# Altium PCB Isengard.PcbDoc
Units mm, origin at the board's own origin, x right, y up, seen from the top; angles counter-clockwise.
Board outline 125 x 60 mm, 2 copper layers (Top Layer, Bottom Layer), stack 1.571 mm thick; 80 components, 54 nets, 282 pads, 94 vias.
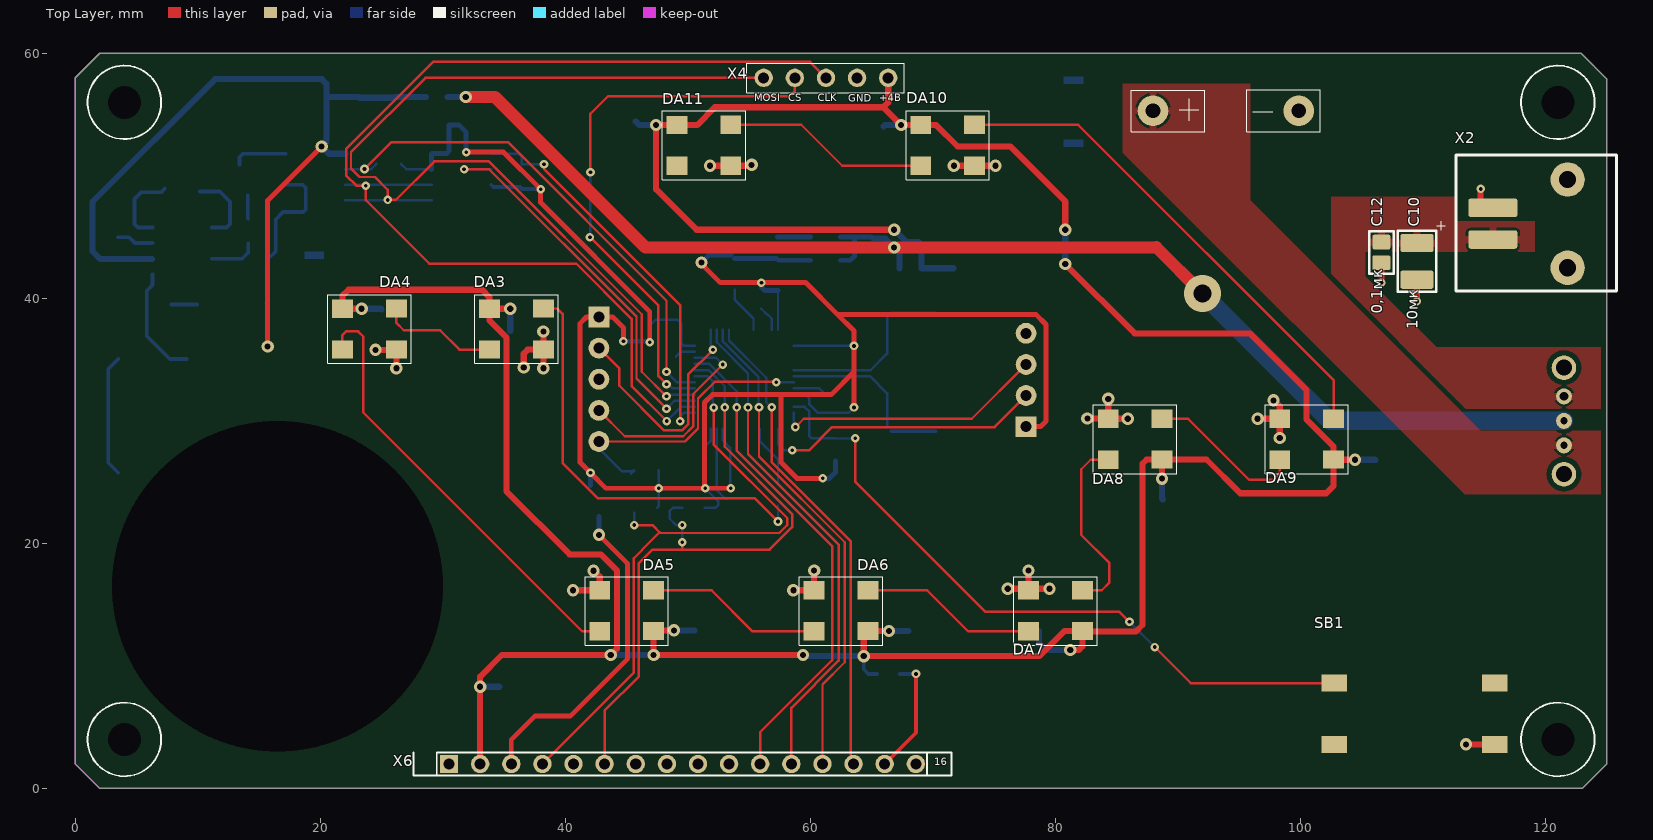
[diagram p0: Top Layer view]
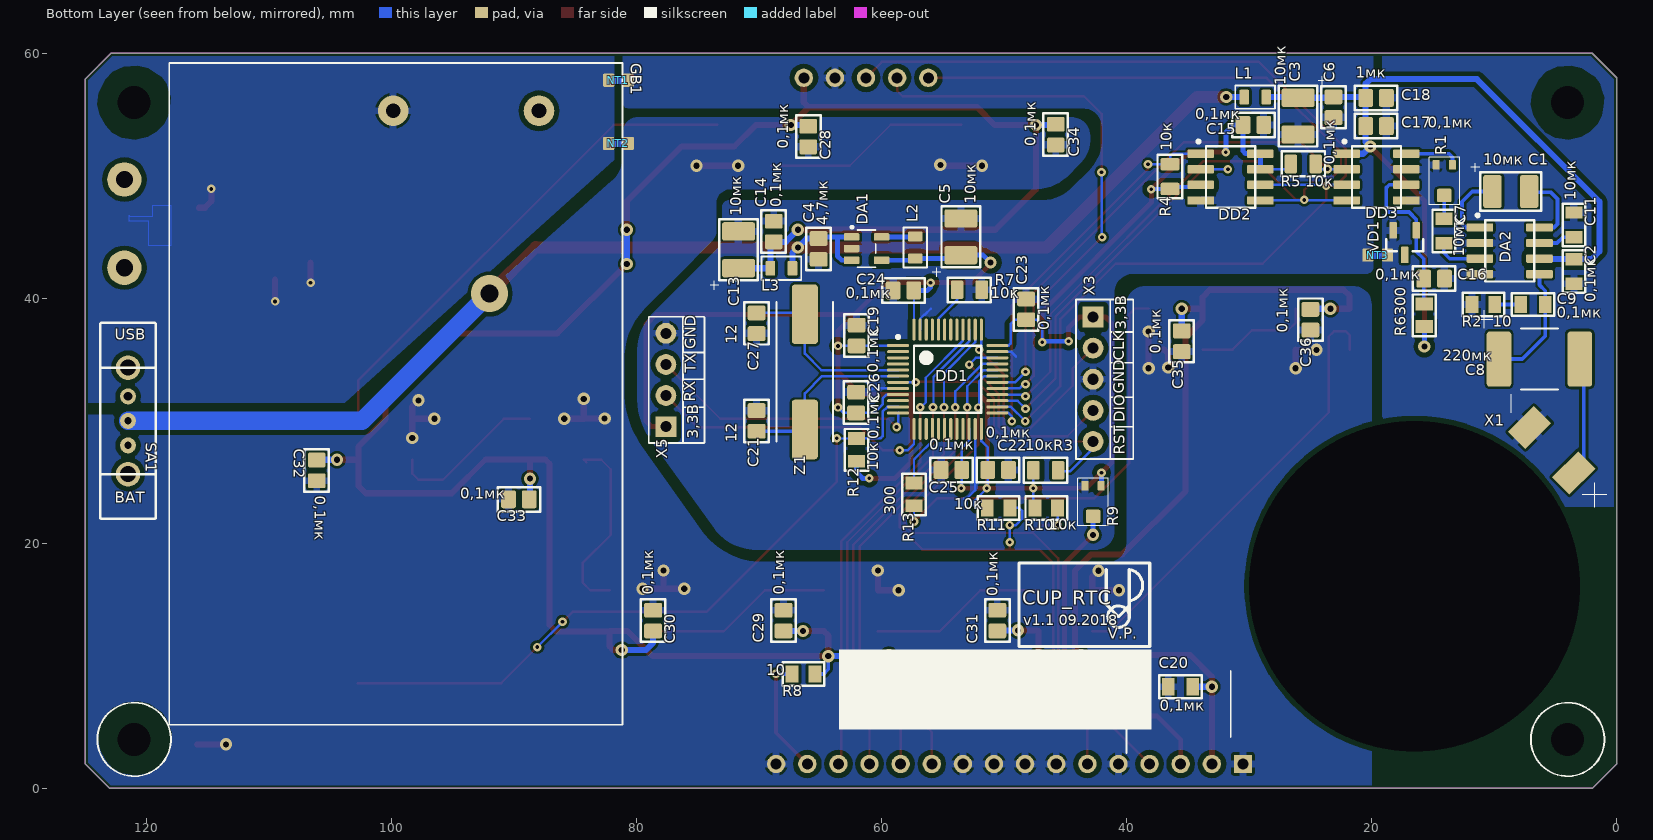
[diagram p1: Bottom Layer view, seen from below]
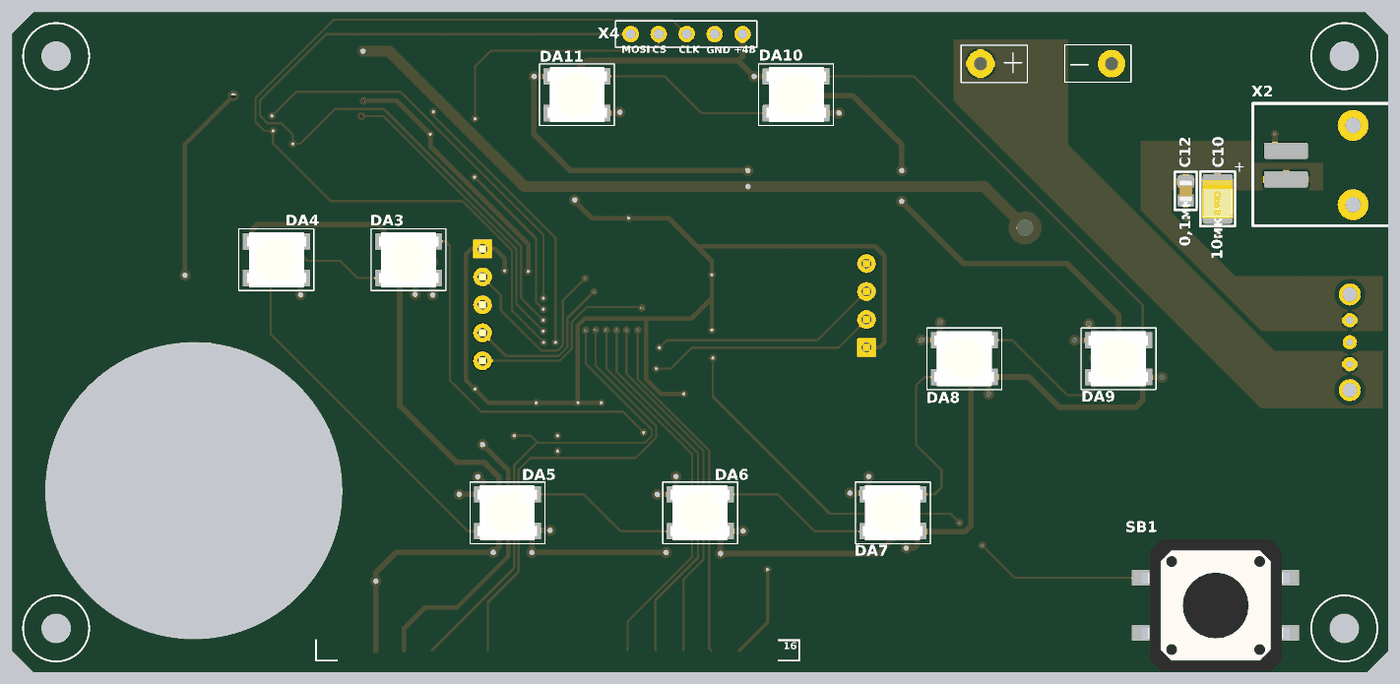
[diagram p2: 3D render of the assembled board from above, using the file's embedded part models]
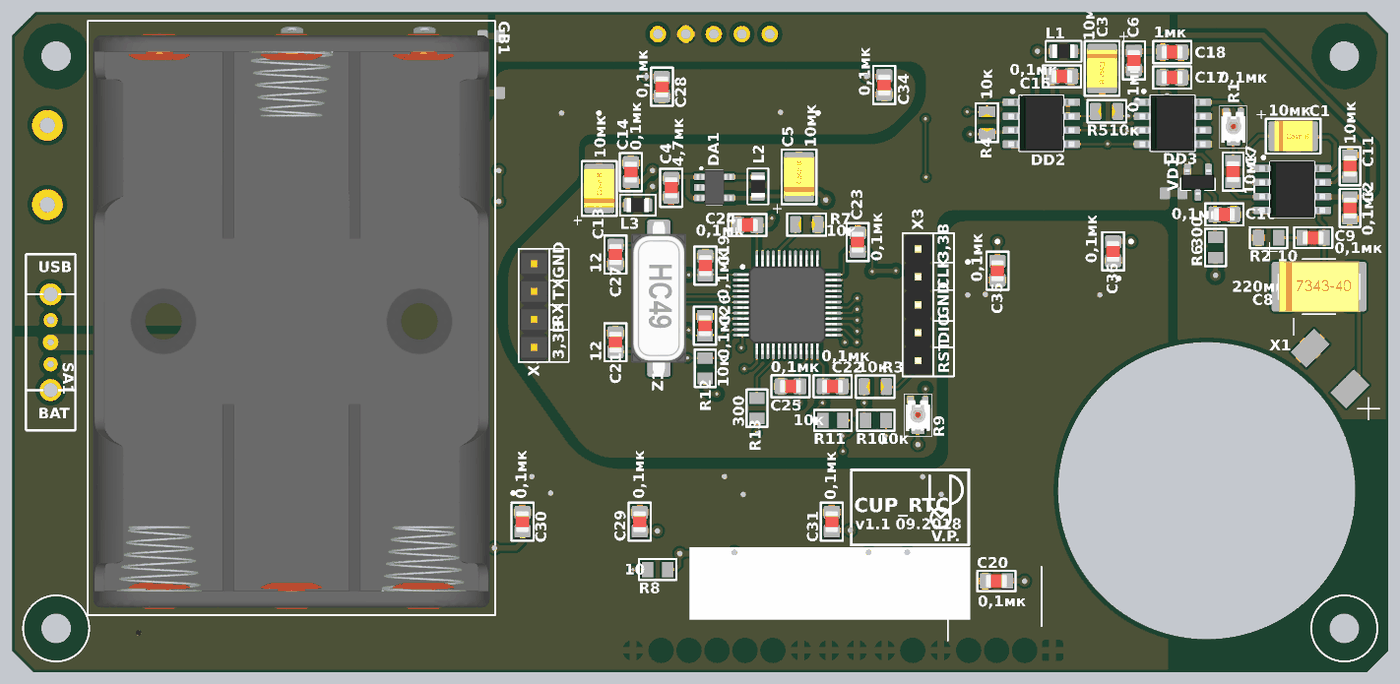
[diagram p3: 3D render of the assembled board from below, using the file's embedded part models]

## Layer stack, top to bottom
Top Solder: solder mask 0.0102, Solder Resist, Dk 3.5
Top Layer: signal copper 0.0356
Dielectric 1: dielectric 1.5, FR-4, Dk 4.8
Bottom Layer: signal copper 0.0356
Bottom Solder: solder mask 0.0102, Solder Resist, Dk 3.5

## Board outline
0,2 0,58 2,60 122.9,60 125,57.9 125,2 123,0 2,0

## Design rules (kind name [scope] priority, off if disabled: settings)
Clearance Clearance_5VA [InNet('+5VA') vs InNet('AGND')] p1: gap=0.4 ignorepadtopadclearanceinfootprint=FALSE except(0: Arc-Hole Track-Hole SMDPad-Hole THPad-Hole Via-Hole Fill-Hole Poly-Hole Region-Hole Text-Hole)
Clearance Clearance_5VВD [InNet('+5V') vs InNet('GND')] p2: gap=0.3 ignorepadtopadclearanceinfootprint=FALSE except(0: Arc-Hole Track-Hole SMDPad-Hole THPad-Hole Via-Hole Fill-Hole Poly-Hole Region-Hole Text-Hole)
Clearance Clearance_5VS [InNet('+5V') vs InNet('SGND')] p3: gap=0.4 ignorepadtopadclearanceinfootprint=FALSE except(0: Arc-Hole Track-Hole SMDPad-Hole THPad-Hole Via-Hole Fill-Hole Poly-Hole Region-Hole Text-Hole)
Clearance Clearance_3.3V [InNet('+3,3В') vs InNet('DGND')] p4: gap=0.4 ignorepadtopadclearanceinfootprint=FALSE except(0: Arc-Hole Track-Hole SMDPad-Hole THPad-Hole Via-Hole Fill-Hole Poly-Hole Region-Hole Text-Hole; 0.2: Track-Track Track-SMDPad SMDPad-SMDPad)
Clearance [All] p5: gap=0.2 ignorepadtopadclearanceinfootprint=FALSE except(0: Arc-Hole Track-Hole SMDPad-Hole THPad-Hole Via-Hole Fill-Hole Poly-Hole Region-Hole Text-Hole; 0.4: Track-THPad THPad-Poly)
ComponentClearance [All] p1: gap=0.01 collisioncheckmode=3 verticalgap=0 showdistances=FALSE
HoleSize [All] p1: absolutevalues=TRUE maxlimit=30 minlimit=0.025 maxpercent=80.000 minpercent=20.000
HoleToHoleClearance [All] p1: gap=0.254 allowstackedmicrovias=FALSE
LayerPairs [All] p1: enforce=FALSE
MinimumSolderMaskSliver [All] p1: minsoldermaskwidth=0.15
PolygonConnect PolygonConnect_via [IsVia] p1: connectstyle=Direct reliefconductorwidth=0.254 reliefentries=4 polygonreliefangle="90 Angle" airgapwidth=0.254
PolygonConnect PolygonConnect_nettie [HasFootprint('POFIGISTOR0603')] p2: connectstyle=Direct reliefconductorwidth=0.254 reliefentries=4 polygonreliefangle="90 Angle" airgapwidth=0.254
PolygonConnect [All] p3: connectstyle=Relief reliefconductorwidth=0.6 reliefentries=4 polygonreliefangle="90 Angle" airgapwidth=0.2
RoutingVias [All] p1: holewidth=0.711 width=1.27 viastyle="Through Hole" minholewidth=0.711 minwidth=1.27 maxholewidth=0.711 maxwidth=1.27
ShortCircuit ShortCircuit_AGND [InNet('DGND') vs InNet('AGND')] p1: allowed=TRUE
ShortCircuit ShortCircuit_DGND [InNet('GND') vs InNet('DGND')] p2: allowed=TRUE
ShortCircuit ShortCircuit_SGND [InNet('GND') vs InNet('SGND')] p3: allowed=TRUE
ShortCircuit [All] p4: allowed=FALSE
SilkToSilkClearance [All] p1: silktosilkclearance=0
SilkToSolderMaskClearance [IsPad] p1: minsilkscreentomaskgap=0 clearancetoexposedcopper=TRUE
SolderMaskExpansion [All] p1: expansion=0.05
Width 4VA [InNet('+4VA')] p1: maxlimit=4 minlimit=0.2 preferedwidth=1
Width 4B [InNet('+4V')] p2: maxlimit=4 minlimit=0.2 preferedwidth=1
Width 3,3B [InNet('+3,3В')] p3: maxlimit=4 minlimit=0.2 preferedwidth=1
Width [All] p4: maxlimit=4 minlimit=0.2 preferedwidth=0.2
22 further rules are at their usual default settings.

## Components (designator, comment, footprint, x,y, rotation, side; value= is the part's Value field where it differs from the comment)
C1 "10мк" "TANTAL CASE B" 8.666,48.92 r180 bottom
C2 "0,1мк" C0805#1 3.48,42.2 r90 bottom
C3 "10мк" "TANTAL CASE B" 25.8,54.9 r270 bottom
C4 "4,7мк" C0805#2 65.134,44.036 r90 bottom
C5 "10мк" "TANTAL CASE B" 53.727,45 r90 bottom
C6 "0,1мк" C0805#2 23.115,55.6 r90 bottom
C7 "10мк" C0805#1 14.1,45.5 r90 bottom
C8 "220мк" "TANTAL CASE D" 6.3,35.05 r180 bottom
C9 "0,1мк" C0805#1 6.83,39.5 r180 bottom
C10 "10мк" "TANTAL CASE B" 109.7,43.05 r270 top
C11 "10мк" C0805#1 3.48,46 r270 bottom
C12 "0,1мк" C0805#2 106.6,43.754 r90 top
C13 "10мк" "TANTAL CASE B" 71.865,43.941 r90 bottom
C14 "0,1мк" C0805#2 68.8,45.457 r270 bottom
C15 "0,1мк" C0805#2 29.646,54.16 r0 bottom
C16 "0,1мк" C0805#2 14.9,41.61 r0 bottom
C17 "0,1мк" C0805#2 19.64,54.06 r0 bottom
C18 "1мк" C0805#2 19.64,56.36 r0 bottom
C19 "0,1мк" C0805#2 62.03,36.967 r270 bottom
C20 "0,1мк" C0805#1 35.6,8.3 r180 bottom
C21 "12" C0805#2 70.2,30 r270 bottom
C22 "0,1мк" C0805#2 50.48,26 r0 bottom
C23 "0,1мк" C0805#2 48.2,39.1 r270 bottom
C24 "0,1мк" C0805#2 58.214,40.65 r180 bottom
C25 "2,2мк" C0805#2 54.3,26 r180 bottom
C26 "0,1мк" C0805#2 62.071,31.5 r270 bottom
C27 "12" C0805#2 70.2,37.967 r90 bottom
C28 "0,1мк" C0805#2 65.979,53.209 r90 bottom
C29 "0,1мк" C0805#2 68,13.7 r270 bottom
C30 "0,1мк" C0805#2 78.644,13.7 r270 bottom
C31 "0,1мк" C0805#2 50.55,13.7 r270 bottom
C32 "0,1мк" C0805#2 106.1,25.963 r90 bottom
C33 "0,1мк" C0805#2 89.6,23.6 r180 bottom
C34 "0,1мк" C0805#2 45.784,53.366 r90 bottom
C35 "0,1мк" C0805#2 35.5,36.5 r90 bottom
C36 "0,1мк" C0805#2 25,38.26 r90 bottom
DA1 "LM3671" SOT23-5 61.22,44.066 r180 bottom
DA2 "LM386M-1" SO8 8.73,43.88 r180 bottom
DA3 "WS2812B" WS2812B 36,37.5 r0 top locked
DA4 "WS2812B" WS2812B 24,37.5 r0 top locked
DA5 "WS2812B" WS2812B 45,14.5 r180 top locked
DA6 "WS2812B" WS2812B 62.5,14.5 r180 top locked
DA7 "WS2812B" WS2812B 80,14.5 r180 top locked
DA8 "WS2812B" WS2812B 86.5,28.5 r180 top locked
DA9 "WS2812B" WS2812B 100.5,28.5 r180 top locked
DA10 "WS2812B" WS2812B 71.2,52.5 r0 top locked
DA11 "WS2812B" WS2812B 51.3,52.5 r0 top locked
DD1 "STM32F103C8T6TR" LQFP48 54.6,33.4 r180 bottom
DD2 "M95256-WMN6P" SO8 31.515,49.9 r180 bottom
DD3 "MCP4921" SO8 19.6,49.9 r180 bottom
GB1 "Вход питания" KLS5-818-С 99.629,32.2 r90 bottom locked
L1 "CM201212-R18KL" L0805 29.5,56.43 r180 bottom
L2 "MLF2012A2R2KT000" L0805 57.25,44.157 r270 bottom
L3 "CM201212-R18KL" L0805 68.175,42.457 r0 bottom
NT1 "Pofigistor" POFIGISTOR0603 81.469,57.809 r180 bottom net-tie
NT2 "Pofigistor" POFIGISTOR0603 81.469,52.648 r180 bottom net-tie
NT3 "Pofigistor" POFIGISTOR0603 19.5,43.535 r180 bottom net-tie
R1 "10к" POTENTIOMETER 14.065,49.6 r0 bottom
R2 "10" R0805#1 10.88,39.5 r0 bottom
R3 "10к" R0805#2 46.6,25.975 r0 bottom
R4 "10к" R0805#2 36.45,49.939 r90 bottom
R5 "10к" R0805#2 25.58,50.973 r180 bottom
R6 "300" R0805#1 15.7,38.616 r90 bottom
R7 "10к" R0805#2 52.827,40.7 r0 bottom
R8 "10" R0805#1 66.37,9.346 r0 bottom
R9 "10к" POTENTIOMETER 42.731,23.4 r0 bottom
R10 "10к" R0805#1 46.55,22.9 r0 bottom
R11 "10к" R0805#1 50.45,22.9 r0 bottom
R12 "10к" R0805#1 62.047,27.637 r90 bottom
R13 "300" R0805#1 57.35,24 r270 bottom
SA1 "Выбор источника питания" KLS7-SS03 121.5,30 r0 bottom
SB1 "START" BUTTON_SMD_12х12 109.954,7 r180 top
VD1 "LM4040BIM3-2.5/NOPB" SOT23-3 17.297,44.545 r270 bottom
X1 "Динамик" DYNAMIC 16.5,16.51 r90 bottom locked
X2 "Разъем питания USB" "USB-B MICRO 2PIN" 115.2,46.1 r0 top
X3 "Программатор" PLS-5 42.731,33.4 r180 bottom
X4 "SPI устройства" 5HOLE_WIRE 60,58 r180 top locked
X5 "Разъем UART" PLS-4 77.6,33.4 r0 bottom
X6 "LCD Дисплей" PLS-16R 62.5,-13.5 r0 top locked
Z1 "12МГц" HC-49SM 66.26,34 r270 bottom

## Footprints (in the part's own frame and the unit in brackets; to place one, negate y for a bottom-side part, rotate by r counter-clockwise, add the part's x,y. Pads: shape width x height; smd on the part's side, far side on the other; paste and mask are expansions set on the pad)
5HOLE_WIRE [mm] "5 отверстий под провода"
  round 1.5 hole 0.9: 1(-6.345,0) 2(-3.805,0) 3(-1.265,0) 4(1.275,0) 5(3.815,0)
  silkscreen extent -7.64,-1.2 5.2,1.2
BUTTON_SMD_12х12 [mm] "Кнопка"
  rect 2.1x1.4 smd: 1(-5.9,3.4) 2(7.2,3.4) 3(-5.9,-1.6) 4(7.2,-1.6)
  body extent -6.09,-5.08 7.36,6.92, height 4
C0805#1 [mm]
  rect 1x1.4 smd: 1(-1,0) 2(1,0)
  silkscreen extent -1.73,-0.93 1.73,0.93, body extent -1,-0.62 1,0.63, height 0.78
C0805#2 [mm]
  rrect25% 1.21x1.46 smd paste-5: 1(-0.845,0) 2(0.845,0)
  silkscreen extent -1.73,-1 1.73,1, body extent -1,-0.62 1,0.63, height 0.78
DYNAMIC [mm] "Разъем для динамика"
  rect 3x2 smd rot 135: 1(9.25,-13) 2(12.95,-9.4)
  round 0 hole 27 unplated: ""(0,0)
  silkscreen extent 6.45,-15.7 15.65,-7.9
HC-49SM [mm] "Кварцевый резонатор поверхностного монтажа"
  rrect25% 4.87x2.13 smd: 1(-4.7,0) 2(4.7,0)
  silkscreen extent -5.7,-2.3 5.7,2.3, body extent -6.95,-2.5 6.95,2.5, height 4.5
KLS5-818-С [mm] "Батарейный отсек 3хААА"
  round 2.5 hole 1.2: 1(23.11,-11.67) 2(23.11,0.23)
  silkscreen extent -27,-18.5 27,18.5, body extent -26.49,-18 26.49,18, height 13
KLS7-SS03 [mm] "Переключатель движковый"
  round 1.3 hole 0.6: 1(0,2) 2(0,0)
  round 1.3 hole 0.7: 3(0,-2)
  round 2 hole 1.3: ""(0,-4.35) ""(0,4.35)
  silkscreen extent -2.25,-4.35 2.25,4.35
L0805 [mm]
  rrect25% 0.8x1.2 smd: 1(-0.9,0) 2(0.9,0)
  silkscreen extent -1.63,-0.95 1.63,0.95, body extent -1,-0.63 1,0.62, height 0.6
LQFP48 [mm] "Thin QFP, 48-Leads, Body 7x7mm, Pitch 0.5mm, IPC Medium Density"
  oval 1.8x0.25 smd: 1(-4.05,2.75) 2(-4.05,2.25) 3(-4.05,1.75) 4(-4.05,1.25) 5(-4.05,0.75) 6(-4.05,0.25) 7(-4.05,-0.25) 8(-4.05,-0.75) 9(-4.05,-1.25) 10(-4.05,-1.75) 11(-4.05,-2.25) 12(-4.05,-2.75) 25(4.05,-2.75) 26(4.05,-2.25) 27(4.05,-1.75) 28(4.05,-1.25) 29(4.05,-0.75) 30(4.05,-0.25) 31(4.05,0.25) 32(4.05,0.75) 33(4.05,1.25) 34(4.05,1.75) 35(4.05,2.25) 36(4.05,2.75)
  oval 0.25x1.8 smd: 13(-2.75,-4.05) 14(-2.25,-4.05) 15(-1.75,-4.05) 16(-1.25,-4.05) 17(-0.75,-4.05) 18(-0.25,-4.05) 19(0.25,-4.05) 20(0.75,-4.05) 21(1.25,-4.05) 22(1.75,-4.05) 23(2.25,-4.05) 24(2.75,-4.05) 37(2.75,4.05) 38(2.25,4.05) 39(1.75,4.05) 40(1.25,4.05) 41(0.75,4.05) 42(0.25,4.05) 43(-0.25,4.05) 44(-0.75,4.05) 45(-1.25,4.05) 46(-1.75,4.05) 47(-2.25,4.05) 48(-2.75,4.05)
  silkscreen extent -4.18,-2.75 2.75,3.57, body extent -4.51,-4.51 4.51,4.51, height 1.46
PLS-4 [mm]
  rect 1.7x1.7 hole 0.9: 1(0,3.87)
  round 1.7 hole 0.9: 2(0,1.33) 3(0,-1.21)
  round 1.7 hole 0.9 mask+0.102: 4(0,-3.75)
  silkscreen extent -1.4,-5.1 1.4,5.2, body extent -1.27,-5.02 1.27,5.14, height 9.5
PLS-5 [mm]
  rect 1.7x1.7 hole 0.9: 1(0,5.08)
  round 1.7 hole 0.9: 2(0,2.54) 3(0,0)
  round 1.7 hole 0.9 mask+0.102: 4(0,-2.54) 5(0,-5.08)
  silkscreen extent -1.4,-6.5 1.4,6.5, body extent -1.25,-6.35 1.29,6.35, height 8.54
PLS-16R [mm] "LED Matrix BL-M12"
  rect 1.5x1.5 hole 0.9: 1(-32,15.5)
  round 1.5 hole 0.9: 2(-29.46,15.5) 3(-26.92,15.5) 5(-21.84,15.5) 6(-19.3,15.5) 9(-11.68,15.5) 10(-9.14,15.5) 12(-4.06,15.5) 13(-1.52,15.5)
  round 1.5 hole 0.9 mask+0.102: 4(-24.38,15.5) 7(-16.76,15.5) 8(-14.22,15.5) 11(-6.6,15.5) 14(1.02,15.5) 15(3.56,15.5) 16(6.1,15.5)
  silkscreen extent -33,14.57 7.02,16.43, body extent -40,-18 40,18, height 2.65
POFIGISTOR0603 [mm]
  rrect25% 0.92x1.08 smd paste+0: 1(-0.8,0)
  rrect25% 0.92x1.08 smd: 2(0.8,0)
  Top Layer region: -0.8,0.3 0.8,0.3 0.8,-0.3 -0.8,-0.3
POTENTIOMETER [mm]
  rrect25% 0.575x0.8 smd: 1(-0.663,-1.3) 3(0.663,-1.3)
  rrect25% 1.2x1.1 smd: 2(0,1.2)
  silkscreen extent -1.25,-1.9 1.25,1.97, body extent -1.1,-1.45 1.1,1.45, height 1.1
R0805#1 [mm] "Chip Resistor, 2-Leads, Body 2,10x1,30mm, IPC Medium Density"
  rect 1.05x1.4 smd: 1(-0.925,0) 2(0.925,0)
  silkscreen extent -1.7,-0.95 1.7,0.95, body extent -1.1,-0.7 1.1,0.7, height 0.55
R0805#2 [mm] "Chip Resistor, 2-Leads, Body 2,10x1,30mm, IPC Medium Density"
  rrect25% 1.02x1.53 smd paste-5: 1(-1.008,0) 2(1.008,0)
  silkscreen extent -1.75,-1 1.78,1.02, body extent -1.1,-0.7 1.1,0.7, height 0.55
SO8 [mm]
  rrect25% 2.17x0.68 smd: 1(-2.43,1.905) 2(-2.43,0.635) 3(-2.43,-0.635) 4(-2.43,-1.905) 5(2.43,-1.905) 6(2.43,-0.635) 7(2.43,0.635) 8(2.43,1.905)
  silkscreen extent -2.74,-2.5 2,3.02, body extent -3,-2.54 3,2.54, height 1.7
SOT23-3 [mm]
  rrect25% 1.35x0.61 smd: 1(-1,0.95) 2(-1,-0.95) 3(1,0)
  silkscreen extent -0.3,-1.52 0.7,1.52, body extent -1.15,-1.5 1.15,1.5, height 1.1
SOT23-5 [mm]
  rrect25% 1.26x0.61 smd: 1(-1.225,0.95) 2(-1.225,0) 3(-1.225,-0.95) 4(1.225,-0.95) 5(1.225,0.95)
  silkscreen extent -1.3,-1.52 0.75,1.84, body extent -1.6,-1.55 1.6,1.55, height 1.45
"TANTAL CASE B" [mm] "Конденсатор электролитический танталовый"
  rrect25% 1.5x2.7 smd: 1(-1.475,-0.2) 2(1.525,-0.2)
  silkscreen extent -3.25,-1.78 2.51,2.12, body extent -1.7,-1.6 1.8,1.2, height 1.9
"TANTAL CASE D" [mm] "Конденсатор танталовый SMD"
  rrect25% 2.01x4.51 smd: 1(-3.3,0) 2(3.3,0)
  silkscreen extent -5.2,-2.5 1.5,4, body extent -3.8,-2.3 3.8,2.3, height 4.1
"USB-B MICRO 2PIN" [mm]
  rrect25% 4x1.5 smd: 1(0.5,-1.3) 2(0.5,1.3)
  round 2.8 hole 1.4: ""(6.6,-3.6) ""(6.6,3.6)
  silkscreen extent -2.5,-5.5 10.6,5.6
WS2812B [mm] "Светодиод SMD RGB с пиксельной адресацией"
  rect 1.7x1.5 smd: 1(-2.2,1.65) 2(-2.2,-1.675) 3(2.2,-1.675) 4(2.2,1.675)
  silkscreen extent -3.4,-2.8 3.4,2.8, body extent -2.67,-2.5 2.73,2.5, height 1.7

## Part data
C1 C3 C5 C8 C10 C13: library part Capacitor_pol, "Конденсатор полярный"
C2 C4 C6 C7 C9 C11 C12 C14 C15 C16 C17 C18 C19 C20 C21 C22 C23 C24 C25 C26 C27 C28 C29 C30 C31 C32 C33 C34 C35 C36: library part Capacitor, "Конденсатор"
DA1: "600-mA Step-Down DC-DC Converter"
DA2: "Low Voltage Audio Power Amplifier"
DA3 DA4 DA5 DA6 DA7 DA8 DA9 DA10 DA11: "Светодиод SMD RGB с пиксельной адресацией"
DD2: library part M95256, "12-Bit DAC with SPI™ Interface"
DD3: "12-Bit DAC with SPI™ Interface"
GB1: library part "Battery compartment"
L1 L2 L3: library part Inductor, "Катушка индуктивности"
NT1 NT2 NT3: library part res1932
R1 R9: library part Potentiometer, "Potentiometer"
R2 R3 R4 R5 R6 R7 R8 R10 R11 R12 R13: library part Resistor_0,125Вт, "Резистор"
SA1: library part "Toggle switch", "переключатель однопозиционный"
SB1: library part Button_SMD, "Кнопка"
VD1: "Прецезионный источник опорного напряжения"
X1 X2: library part Header_2_sct, "Разъем - 2 конт. розетка"
X3 X4: library part Header_5_sct, "Разъем - 4 конт. розетка"
X5: library part Header_4_sct, "Разъем - 4 конт. розетка"
X6: library part Header_16_sct, "Разъем - 16 конт. розетка"
Z1: library part Crystal, "Кварцевый резонатор"

## Free pads (board coordinates)
  round 0 hole 2.7 unplated: ""(4,4) ""(4,56) ""(121,4) ""(121,56)

## Via types
v1: diameter 0.7, hole 0.3, Top Layer to Bottom Layer, tented both sides, 47 vias
v2: diameter 1, hole 0.5, Top Layer to Bottom Layer, tented both sides, 46 vias
v3: diameter 3, hole 1.5, Top Layer to Bottom Layer, tented both sides, 1 vias

## Nets (pads, with @x,y where several pads share a name; then routed paths per layer and width w, separated by ;. In a path a pad name is that pad's centre, name@x,y a point inside that pad or via, vN(x,y) a via of type N, cw(c..) or ccw(c..) an arc to the next point about the centre after c; other vN are vias at no path point)
+3,3В: C5.1 C15.2 C19.2 C22.2 C23.2 C24.2 C25.2 C26.2 DA1.4 DD1.1 DD1.9 DD1.22 DD1.24 DD1.36 DD1.48 DD2.3 DD2.7 DD2.8 L2.2 R3.2 R4.1 R5.1 R9.1 R10.2 R11.2 R12.1 X3.1 X5.1 | length 199.3
  Top Layer w0.4: v1(31.9,51.935) 34.942,51.935 v1(37.977,48.9) 37.977,47.827 46.883,38.921 v1(46.883,36.428) ; v1(44.736,36.5) 44.736,37.591 43.847,38.48 X3.1 41.723,38.48 41.2,37.957 41.2,26.603 v1(42.043,25.76) 43.303,24.5 v1(47.607,24.5) v1(51.4,24.5) ; v2@51.101,42.825 52.645,41.281 v1(56,41.281) 59.581,41.281 59.6,41.3 62.2,38.7 ; v1@53.4,24.5 v1(51.4,24.5) ; v1(60.997,25.307) 58.903,25.307 57.594,26.616 57.594,32.144 57.6,32.15 ; v1(63.55,31.1) 63.55,34 ; X5.1 78.774,29.53 79.228,29.984 79.228,37.872 78.4,38.7 62.2,38.7 ; v1(51.4,24.5) 51.35,24.55 51.35,31.499 52.001,32.15 57.6,32.15 ; 57.6,32.15 61.7,32.15 63.55,34 ; 62.2,38.7 63.55,37.35 v1(63.55,36.12) 63.55,34
  Bottom Layer w0.2: R5.1 27.025,50.535 DD2.7 ; v1(46.883,36.428) 46.883,37.782 47.356,38.255 C23.2 49.125,38.255 49.464,37.916 49.464,36.31 49.624,36.15 DD1.36 ; R10.2 47.607,23.032 v1(47.607,24.5) R3.2 ; v1@51.325,24.5 C22.2 51.325,27.825 51.85,28.35 DD1.24 ; R11.2 52.24,22.9 52.456,23.116 52.456,23.444 v1(51.4,24.5) ; DD1.22 52.85,28.4 53.455,27.795 C25.2 v1@53.455,24.5 ; DD1.48 C24.2@57.35,40.631 ; DD1.9 59.591,32.15 59.917,31.824 59.917,31.354 60.616,30.655 C26.2 63.105,30.655 v1(63.55,31.1) ; DD1.1 C19.2@62.03,36.15 ; C19.2 v1@63.548,36.122 ; C19.2@62.498,36.122 C19.2@62.5,36.12
  Bottom Layer w0.3: DD2.3 34.114,49.096 36.286,49.096 R4.1 37.946,48.932 v1(37.977,48.9)
  Bottom Layer w0.4: DD2.7 DD2.8 29.097,51.816 30.3,51.816 30.491,52.007 C15.2 31.287,54.16 31.9,53.547 v1(31.9,51.935) ; R9.1@42.043,24.725 v1(42.043,25.76) ; v1(44.736,36.5) 46.812,36.5 v1(46.883,36.428) ; v2(51.101,42.925) 51.701,43.525 C5.1 ; C5.1@53.795,43.257 L2.2 ; v1(56,41.281) 56,40.896 56.265,40.631 C24.2@57.35,40.631 ; L2.2@57.391,43.116 DA1.4 ; v1(60.997,25.307) 61.555,25.307 62.047,25.8 R12.1
  other v1: 53.5,24.5
+5V: C4.2 DA1.1 DA1.3 L1.1 L3.1 SA1.2 | length 111.4
  Top Layer w0.5: 88.197,44.158 88.219,44.181
  Top Layer w1: v2(31.868,56.445) 34.255,56.445 46.542,44.158 v2(66.833,44.158) 88.197,44.158 ; 88.219,44.181 v3(92,40.4)
  Bottom Layer w0.4: DA1.3 63.261,43.116 63.601,43.456 63.601,45.016 ; DA1.1 63.601,45.016 ; C4.2@64.999,45.016 63.601,45.016
  Bottom Layer w0.5: L1.1 30.415,56.445 v2(31.868,56.445) ; C4.2 66.11,44.881 v2(66.833,44.158) 67.275,43.716 L3.1
  Bottom Layer w1.5: v3(92,40.4) 102.4,30 SA1.2
+5VA: C2.2 C3.1 C6.2 C17.2 C18.2 DA2.6 DD3.1 L1.2 R6.1 | length 67.9
  Top Layer w0.4: v2(15.697,36.082) 15.697,47.993 v2(20.104,52.4)
  Bottom Layer w0.3: DA2.6@6.255,43.2 DA2.6
  Bottom Layer w0.4: v2(15.697,36.082) R6.1@15.697,37.645
  Bottom Layer w0.5: DA2.6@6.255,43.2 C2.2 2.045,43.2 1.4,43.845 1.4,47.9 11.4,57.9 20.12,57.9 20.485,57.535 C18.2 ; DD3.1 20.699,51.805 v2(20.104,52.4) 20.485,52.781 C17.2 C18.2 ; C6.2 20.57,56.445 C18.2 ; C6.2@23.185,56.375 C3.1 26.055,56.43 L1.2
+5VBAT: GB1.1 SA1.1
+5VS: C13.1 C14.2 C20.2 C28.2 C29.2 C30.2 C31.2 C32.2 C33.2 C34.2 C35.2 C36.2 DA3.1 DA4.1 DA5.1 DA6.1 DA7.1 DA8.1 DA9.1 DA10.1 DA11.1 L3.2 R8.1 X4.1 X6.2 | length 290.9
  Top Layer w0.5: v2@23.365,39.15 DA4.1 21.8,40.2 22.3,40.7 33.2,40.7 33.8,40.1 DA3.1 ; X6.2 v2(33.04,8.3) 33.04,9.117 34.823,10.9 v2(43.7,10.9) 44.2,11.4 44.2,17.8 42.9,19.1 40.333,19.1 35.2,24.233 35.2,36.8 33.8,38.2 DA3.1 ; v2(35.5,39.15) DA3.1 ; v2(48.87,12.905) 47.255,12.905 DA5.1 v2(47.2,10.9) v2(59.4,10.9) ; v2@66.1,12.855 v2(66.4,12.855) DA6.1 64.35,12.5 v2(64.35,10.8) 78.673,10.8 80.723,12.85 DA7.1 ; X4.1 66.345,55.995 65.95,55.6 ; v2(66.833,45.6) 50.7,45.6 47.4,48.9 v2(47.4,54.15) DA11.1 50.74,54.15 52.19,55.6 65.95,55.6 ; v2(80.8,42.8) 86.46,37.14 95.854,37.14 100.5,32.494 100.5,30.1 102.7,27.9 DA9.1 ; v2(80.8,45.6) 80.8,47.922 76.322,52.4 72,52.4 70.25,54.15 DA10.1 v2(67.4,54.15) 65.95,55.6 ; v2(81.2,11.3) 81.9,11.3 82.2,11.6 DA7.1 ; v2(88.7,25.285) DA8.1 ; v2(104.44,26.825) 102.725,26.825 DA9.1 ; DA7.1 82.25,12.8 86.559,12.8 87.1,13.341 87.1,26.5 87.45,26.85 DA8.1 ; DA8.1 92.323,26.85 95.073,24.1 102.1,24.1 102.7,24.7 DA9.1
  Bottom Layer w0.3: v2(64.35,10.8) 64.35,9.72 64.724,9.346 R8.1
  Bottom Layer w0.5: v2(23.369,39.15) 24.955,39.15 C36.2 ; v2(33.04,8.3) C20.2 ; C35.2 v2(35.5,39.15) ; v2(43.7,10.9) v2(47.2,10.9) ; C34.2@45.74,54.445 46.035,54.15 v2(47.4,54.15) v2@47.25,54.3 ; v2(48.87,12.905) C31.2@50.55,12.905 ; v2(59.4,10.9) 59.5,10.8 v2(64.35,10.8) ; C28.2 66.075,54.15 v2(67.4,54.15) ; v2(66.4,12.855) C29.2 ; v2(66.833,45.6) 67.82,44.612 C14.2 69.075,44.337 L3.2 71.656,42.457 C13.1 ; C30.2 78.644,11.888 79.232,11.3 v2(81.2,11.3) ; v2(80.8,42.8) v2(80.8,45.6) ; v2(88.7,25.285) 88.7,23.655 C33.2 ; v2(104.44,26.825) 106.083,26.825 C32.2
+5VUSB: C10.1 C12.2 SA1.3 X2.1
AGND: C2.1 C11.1 C16.1 C17.1 C18.1 DA2.2 DA2.4 DD3.5 DD3.7 NT3.2 R1.3 R2.2 VD1.2 X1.2
AUDIO_OUT: DD3.8 R1.1 | length 4.5
  Bottom Layer w0.3: R1.1 13.402,51.522 13.685,51.805 DD3.8
DB4: DD1.33 X6.11 | length 40.4
  Top Layer w0.2: v1(53.977,31.1) 53.977,27.578 61.765,19.79 61.765,10.465 55.9,4.6 X6.11
  Bottom Layer w0.2: DD1.33 51.744,34.65 53.977,32.417 v1(53.977,31.1)
DB5: DD1.38 X6.12 | length 41.2
  Top Layer w0.2: v1(54.9,31.1) 54.9,27.3 62.3,19.9 62.3,10.434 58.44,6.574 X6.12
  Bottom Layer w0.2: DD1.38 52.35,36.428 54.9,33.878 v1(54.9,31.1)
DB6: DD1.39 X6.13 | length 40.3
  Top Layer w0.2: v1(55.8,31.109) 55.8,27.1 62.8,20.1 62.8,10.3 60.98,8.48 X6.13
  Bottom Layer w0.2: DD1.39 52.85,36.494 55.757,33.587 55.757,31.152 v1(55.8,31.109)
DB7: DD1.40 X6.14 | length 39.7
  Top Layer w0.2: v1(56.832,31.109) 56.832,26.633 63.3,20.165 63.3,2.22 X6.14
  Bottom Layer w0.2: DD1.40 53.35,36.56 56.388,33.522 56.388,31.512 v1@56.812,31.088
DGND: C3.2 C4.1 C5.2 C6.1 C13.2 C14.1 C15.1 C19.1 C21.1 C22.1 C23.1 C24.1 C25.1 C26.1 C27.1 DA1.2 DD1.8 DD1.23 DD1.35 DD1.47 DD2.4 NT1.2 NT3.1 R7.1 R9.3 X3.3 X4.2 X5.4 | length 12.5
  Bottom Layer w0.2: 49.024,35.25 49.424,35.65 DD1.35 ; DD1.23 52.35,24.348 53.048,23.65 53.25,23.65 ; 55.981,39.15 56.452,38.679 56.511,38.679 56.85,38.34 DD1.47 ; DD1.8 60.716,32.65 61.021,32.345
E: DD1.32 R11.1 X6.6 | length 53
  Top Layer w0.2: X6.6 43.2,6.36 45.992,9.152 45.992,18.392 47.1,19.5 49.546,19.5 ; v1(49.546,20.1) 49.546,19.5 ; v1(53,31.1) 53,27.9 58.5,22.4 58.5,21.334 56.666,19.5 49.546,19.5
  Bottom Layer w0.2: R11.1 48.756,22.9 48.517,22.661 48.517,22.016 49.033,21.5 v1(49.546,21.5) v1(49.546,20.1) ; DD1.32 51.679,34.15 53,32.829 v1(53,31.1)
GND: C10.2 C12.1 GB1.2 NT1.1 NT2.1 X2.2 | length 5.6
  Top Layer w0.5: v1(106.6,41.283) C12.1 ; v1(109.5,39.75) C10.2 ; v1(114.7,48.932) 114.7,47.926 115.226,47.4 X2.2
MCU_LEDS: DD1.16 R13.1 | length 5
  Bottom Layer w0.2: DD1.16 55.85,28.359 57.081,27.128 57.35,26.86 R13.1
NetC1_1: C1.1 DA2.1 | length 6.2
  Bottom Layer w0.3: C1.1 11.78,48.72 12.62,47.88 12.62,46.074 12.331,45.785 DA2.1
NetC1_2: C1.2 DA2.8 | length 6.5
  Bottom Layer w0.3: DA2.8 5.115,45.785 4.83,46.07 4.83,48.115 5.365,48.65 6.991,48.65 C1.2@7.305,48.964
NetC7_1: C7.1 DA2.3 | length 3.9
  Bottom Layer w0.3: DA2.3 13.618,43.245 14.1,43.727 C7.1
NetC7_2: C7.2 R1.2 | length 1.9
  Bottom Layer w0.3: R1.2 14.065,46.535 C7.2
NetC8_1: C8.1 C9.2 DA2.5 | length 9.3
  Bottom Layer w0.3: DA2.5 6.3,41.1 5.83,40.63 C9.2 5.83,36.92 7.7,35.05 C8.1@9.1,35.05
NetC8_2: C8.2 X1.1 | length 10
  Bottom Layer w0.3: X1.1 2.679,26.581 2.679,34.229 C8.2@3.5,35.05
NetC9_1: C9.1 R2.1 | length 2.1
  Bottom Layer w0.3: C9.1 R2.1
NetC11_2: C11.2 DA2.7 | length 3
  Bottom Layer w0.3: C11.2 4.38,45 4.865,44.515 DA2.7
NetC16_2: C16.2 DD3.6 R6.2 VD1.1 | length 13.5
  Bottom Layer w0.3: R6.2@15.575,39.558 15.745,39.728 C16.2 15.745,43.23 16.347,43.832 VD1.1 16.347,46.447 16.953,47.053 18.603,47.053 18.817,47.267 18.817,49.005 18.557,49.265 DD3.6
NetC21_2: C21.2 DD1.6 Z1.2 | length 14.5
  Bottom Layer w0.2: DD1.6 64.85,33.65 66.26,32.24 Z1.2@66.26,29.5
  Bottom Layer w0.3: Z1.2@66.605,29.155 C21.2
NetC27_2: C27.2 DD1.5 Z1.1 | length 14.8
  Bottom Layer w0.2: DD1.5 64.92,34.15 66.26,35.49 Z1.1@66.26,38.5 ; Z1.1@66.572,38.812 C27.2
NetDA1_5: DA1.5 L2.1 | length 2.7
  Bottom Layer w0.4: L2.1@57.291,45.016 DA1.5
NetDA3_2: DA3.2 DA4.4 | length 9.7
  Top Layer w0.2: DA4.4 26.2,38 26.8,37.4 29.77,37.4 31.345,35.825 DA3.2
NetDA3_4: DA3.4 R13.2 | length 34.8
  Top Layer w0.2: DA3.4 39.325,39.175 39.771,38.729 39.771,26.554 42.625,23.7 55.441,23.7 v1(57.35,21.791)
  Bottom Layer w0.2: v1(57.35,21.791) R13.2
NetDA4_2: DA4.2 DA5.4 | length 36.1
  Top Layer w0.2: DA4.2 21.8,37 22.1,37.3 23.074,37.3 23.5,36.874 23.5,30.7 41.375,12.825 DA5.4
NetDA5_2: DA5.2 DA6.4 | length 14.5
  Top Layer w0.2: DA5.2 51.931,16.175 55.281,12.825 DA6.4
NetDA6_2: DA6.2 DA7.4 | length 14.5
  Top Layer w0.2: DA6.2 69.523,16.175 72.874,12.825 DA7.4
NetDA7_2: DA7.2 DA8.4 | length 15.5
  Top Layer w0.2: DA7.2 83.775,16.175 84.4,16.8 84.4,18.4 82.1,20.7 82.1,26.05 82.875,26.825 DA8.4 DA8.4@84.1,26.625
NetDA8_2: DA8.2 DA9.4 | length 13
  Top Layer w0.2: DA8.2 90.825,30.175 95.8,25.2 97.8,25.2 98.3,25.7 DA9.4
NetDA9_2: DA9.2 DA10.4 | length 41.1
  Top Layer w0.2: DA10.4 81.85,54.175 102.7,33.325 DA9.2
NetDA10_2: DA10.2 DA11.4 | length 16.9
  Top Layer w0.2: DA11.4 59.246,54.175 62.596,50.825 DA10.2
NetDD1_44: DD1.44 R7.2 | length 3.9
  Bottom Layer w0.2: R7.2 53.834,39.87 55.35,38.354 DD1.44
NetR8_2: R8.2 X6.15 | length 9.7
  Top Layer w0.3: X6.15 68.611,4.551 v1(68.611,9.346)
  Bottom Layer w0.3: R8.2 v1(68.611,9.346)
NetR9_2: R9.2 X6.3 | length 26.8
  Top Layer w0.4: X6.3 35.58,3.98 37.5,5.9 40.394,5.9 45.082,10.589 45.082,18.349 v2(42.731,20.7)
  Bottom Layer w0.4: v2(42.731,20.7) R9.2
NRST: DD1.7 R3.1 X3.5 | length 23.7
  Top Layer w0.2: X3.5 49.752,28.32 50.82,29.388 50.82,31.82 52.197,33.197 v1@56.947,33.197
  Bottom Layer w0.2: X3.5 42.731,27.745 44.576,25.9 R3.1@45.553,25.9 ; R3.1@45.353,25.7 R3.1@45.553,25.9 ; R3.1 45.592,25.94 R3.1@45.553,25.9 ; R3.1@45.6,25.9 R3.1@45.553,25.9 ; v1(57.2,33.144) 58.644,33.144 DD1.7
RS: DD1.31 R10.1 X6.4 | length 52.7
  Top Layer w0.2: X6.4 45.592,9.473 45.592,18.792 46.267,19.467 46.267,19.5 47.684,20.916 47.1,21.5 v1(45.613,21.5) ; 47.676,20.891 47.717,20.85 57.45,20.85 58.1,21.5 58.1,22.072 52.1,28.072 v1(52.1,31.088)
  Bottom Layer w0.2: v1(45.613,21.5) 45.613,22.5 R10.1@45.625,22.512 ; DD1.31 51.613,33.65 52.011,33.252 v1@52.011,31.121
RX: DD1.13 X5.2 | length 23.5
  Top Layer w0.2: v1(58.5,27.6) 59.865,27.6 61.765,29.5 75.03,29.5 X5.2
  Bottom Layer w0.2: DD1.13 57.35,28.128 57.878,27.6 v1(58.5,27.6)
SGND: C20.1 C28.1 C29.1 C30.1 C31.1 C32.1 C33.1 C34.1 C35.1 C36.1 DA3.3 DA4.3 DA5.3 DA6.3 DA7.3 DA8.3 DA9.3 DA10.3 DA11.3 NT2.2 SB1.1 X6.1 X6.5 X6.7 X6.8 X6.9 X6.10 X6.16 | length 40.6
  Top Layer w0.5: v2(24.5,35.8) 26.175,35.8 DA4.3 v2(26.2,34.3) ; v2(36.6,34.35) 36.6,35.5 36.925,35.825 DA3.3 ; v2(38.2,34.3) DA3.3 ; v2(38.2,37.3) DA3.3 ; v2(40.615,16.175) DA5.3 42.8,17.3 v2@42.3,17.8 ; v2(51.8,50.825) DA11.3 55.125,50.825 v2(55.2,50.9) ; v2(58.6,16.175) DA6.3 v2(60.3,17.8) ; v2(71.7,50.825) DA10.3 v2(75.1,50.825) ; v2(76.1,16.3) DA7.3@77.675,16.3 ; v2(77.8,17.8) 77.8,16.425 DA7.3@77.675,16.3 ; v2(79.5,16.3) DA7.3@77.675,16.3 ; v2(82.6,30.2) DA8.3@84.275,30.2 ; v2(84.3,31.8) 84.3,30.225 DA8.3@84.275,30.2 ; v2(85.9,30.175) DA8.3 DA8.3@84.275,30.2 ; v2(96.5,30.175) DA9.3 ; v2(97.8,31.68) 98.3,31.18 DA9.3 ; v2(98.3,28.6) DA9.3 ; v2(113.5,3.6) SB1.1
  other v2: 42.3,17.775
SPI2_CLK: DD1.26 DD2.6 DD3.3 X4.3 | length 93
  Top Layer w0.2: v1(48.269,29.987) 45.4,32.856 45.4,38.32 40.894,42.826 28.899,42.826 23.7,48.025 v1(23.7,49.2) 22.943,49.2 22.1,50.043 22.1,52.2 29.2,59.3 59.965,59.3 X4.3
  Bottom Layer w0.2: DD3.3 DD2.6 ; v1(48.269,29.987) 49.433,31.15 DD1.26
SPI2_CS0: DD1.25 DD2.1 R4.2 | length 32.3
  Top Layer w0.2: v1(38.25,50.944) 38.25,50.568 49.358,39.46 v1(49.358,29.984)
  Bottom Layer w0.2: DD2.1 36.208,51.805 36.45,51.563 R4.2 36.452,50.944 v1(38.25,50.944) ; v1(49.358,29.984) 49.358,30.36 49.648,30.65 DD1.25
SPI2_CS1: DD1.29 X4.4 | length 45.6
  Top Layer w0.2: v1(42,45) 47.59,39.41 47.59,33.66 v1(48.25,33) ; v1(42.043,50.3) 42.043,55.067 43.477,56.5 58.275,56.5 58.725,56.95 X4.4
  Bottom Layer w0.2: v1(42,45) 42.043,45.043 v1(42.043,50.3) ; v1(48.25,33) 48.4,33 48.75,32.65 DD1.29
SPI2_CS2: DD1.30 DD3.2 R5.2 | length 42.1
  Top Layer w0.2: v1(23.6,50.561) 25.794,52.755 35.301,52.755 48.25,39.806 v1(48.25,34)
  Bottom Layer w0.2: DD3.2 24.134,50.535 R5.2 ; v1(48.25,34) 49.1,33.15 DD1.30
SPI2_MISO: DD1.27 DD2.2 | length 32.4
  Top Layer w0.2: v1(31.728,50.535) 33.773,50.535 45.8,38.508 45.8,33.45 v1(48.25,31)
  Bottom Layer w0.2: v1(31.728,50.535) DD2.2 ; v1(48.25,31) 48.9,31.65 DD1.27
SPI2_MOSI: DD1.28 DD2.5 DD3.4 X4.5 | length 86.2
  Top Layer w0.2: v1(48.25,32) 46.233,34.017 46.233,36.698 46.234,38.707 33.755,51.185 29.301,51.185 26.15,48.034 v1(25.5,48.034) 25.5,48.851 24.445,49.906 23.19,49.906 22.5,50.596 22.5,51.935 28.565,58 X4.5
  Bottom Layer w0.2: DD3.4 DD2.5 ; v1(48.25,32) 48.4,32.15 DD1.28
START: DD1.11 R12.2 SB1.4 | length 56.7
  Top Layer w0.2: v1(63.646,28.575) 63.646,25.054 74.282,14.418 85.223,14.418 v1(86.041,13.6) ; v1(88.1,11.541) 91.041,8.6 SB1.4
  Bottom Layer w0.2: DD1.11 59.526,31.15 59.917,30.759 59.917,28.755 60.097,28.575 62.034,28.575 R12.2 R12.2@62.584,28.562 ; R12.2@62.596,28.575 R12.2@62.584,28.562 ; v1@63.634,28.562 R12.2@62.584,28.562 ; v1(86.041,13.6) v1(88.1,11.541)
SWCLK: DD1.37 X3.2 | length 19.7
  Top Layer w0.2: X3.2 44.4,34.271 44.4,32.867 48.017,29.25 49.55,29.25 50.018,29.718 50.018,33.78 v1(52.038,35.8)
  Bottom Layer w0.2: DD1.37 51.85,35.987 v1(52.038,35.8)
SWDIO: DD1.34 X3.4 | length 17.5
  Top Layer w0.2: X3.4 44.841,28.75 49.616,28.75 50.42,29.554 50.42,32.178 v1(52.842,34.6)
  Bottom Layer w0.2: DD1.34 52.292,35.15 v1(52.842,34.6)
TX: DD1.12 X5.3 | length 22.1
  Top Layer w0.2: v1(58.775,29.5) 59.45,30.175 73.165,30.175 X5.3
  Bottom Layer w0.2: DD1.12 58.65,29.625 v1(58.775,29.5)
pads on no net: DA11.2 DD1.2 DD1.3 DD1.4 DD1.10 DD1.14 DD1.15 DD1.17 DD1.18 DD1.19 DD1.20 DD1.21 DD1.41 DD1.42 DD1.43 DD1.45 DD1.46 SA1. SB1.2 SB1.3 VD1.3 X1. X2.

## Polygon pours and split planes (outlines as drawn)
+5VBAT on Top Layer "Top Layer-No Net" (solid, remove dead copper, pour order 7): 95.9,48 95.9,57.5 85.5,57.5 85.5,51.898 113.398,24 124.5,24 124.5,29.2 114.7,29.2 106.1,37.8
+5VUSB on Top Layer "Top Layer-No Net" (solid, remove dead copper, pour order 82): 119.1,43.8 119.1,46.302 112.7,46.302 112.7,48.3 109.5,48.3 102.5,48.3 102.5,42 113.5,31 124.5,31 124.5,36 111.1,36 105.3,41.8 105.3,43.8
SGND on Bottom Layer "Top Layer-No Net" (solid, remove dead copper, pour order 99): 79.896,54.779 44.462,54.779 ccw(c44.462,53.3) 42.983,53.3 42.983,52.976 ccw(c45.783,52.976) 43.804,50.996 44.759,50.041 ccw(c47.514,52.796) 47.514,48.9 47.8,48.9 72.35,48.9 cw(c72.35,47.75) 73.5,47.75 73.5,45.49 ccw(c74.684,45.49) 73.847,44.653 76.813,41.687 79.313,39.187 cw(c75.241,35.114) 81,35.114 81,32.357 cw(c73.441,32.357) 79.61,27.988 74.711,21.07 cw(c69.742,24.589) 69.742,18.5 41.5,18.5 cw(c41.5,20) 40,20 40,39.5 ccw(c38.5,39.5) 38.5,41 21.5,41 ccw(c21.5,39.5) 20,39.5 20,0 124.9,0 125,-0.1 125,30.495 106.522,30.495 103.484,30.495 82.002,49.582 cw(c83.787,51.59) 81.1,51.59 81.1,53.575 ccw(c79.896,53.575)
DGND on Bottom Layer "Top Layer-No Net" (solid, remove dead copper, pour order 97): 19.85,60 42,60 81.129,60.001 81.129,55.996 cw(c80.633,55.996) 80.633,55.5 43.5,55.5 ccw(c43.5,54) 42,54 42,52.949 ccw(c45.498,52.949) 43.025,50.475 44.448,49.052 ccw(c47,51.604) 47,47.995 72.455,47.995 cw(c72.455,47.45) 73,47.45 73,45.236 ccw(c74.896,45.236) 73.555,43.895 78.598,38.853 cw(c75.327,35.582) 79.953,35.582 79.952,31.981 cw(c73.805,31.981) 78.797,28.393 73.63,21.201 cw(c70.313,23.584) 70.313,19.5 42.5,19.5 cw(c42.5,21) 41,21 41,40.5 ccw(c39.5,40.5) 39.5,42 20.42,42 cw(c20.42,42.57) 19.85,42.57
+5VUSB on Bottom Layer "Top Layer-No Net" (solid, remove dead copper, pour order 0): 121.4,46.7 119.5,46.7 119.5,47.6 119.302,47.6 118,47.6 118,44.3 119.8,44.3 119.8,46.3 121.4,46.3 121.4,46.8
AGND on Bottom Layer "Top Layer-No Net" (solid, remove dead copper, pour order 95): 0,23 19.15,23 19.15,60 0,60
GND on Bottom Layer "Top Layer-No Net" (solid, remove dead copper, pour order 101): 125,60 125,50.5 125,31.5 103.8,31.5 81.8,51.314 81.8,60 86.5,60

## Keep-outs
Keep-Out Layer:
  the board outline again, w0.1

## Other copper
Top Layer:
  pour cut-out: 1.8,6.077 1.4,5.534 1.2,4.983 1,4.377 1.1,3.6 1.2,2.877 1.6,2.171 2.181,1.577 2.9,1.166 3.9,0.926 5.023,1.101 5.8,1.514 6.325,2.127 6.8,2.967 7,3.831 6.9,4.777 6.365,5.836 5.761,6.456 4.83,6.877 3.696,6.977 2.855,6.777 2,6.201
  pour cut-out: 118.8,6.231 118.4,5.688 118.2,5.137 118,4.531 118.1,3.754 118.2,3.031 118.6,2.325 119.181,1.731 119.9,1.32 120.9,1.08 122.023,1.255 122.8,1.668 123.325,2.281 123.8,3.121 124,3.985 123.9,4.931 123.365,5.99 122.761,6.61 121.83,7.031 120.696,7.131 119.855,6.931 119,6.355
  pour cut-out: 118.8,58.1 118.4,57.558 118.2,57.006 118,56.4 118.1,55.623 118.2,54.9 118.6,54.194 119.181,53.6 119.9,53.189 120.9,52.949 122.023,53.124 122.8,53.537 123.325,54.15 123.8,54.99 124,55.854 123.9,56.8 123.365,57.859 122.761,58.479 121.83,58.9 120.696,59 119.855,58.8 119,58.224
  pour cut-out: 1.8,58.1 1.4,57.558 1.2,57.006 1,56.4 1.1,55.623 1.2,54.9 1.6,54.194 2.181,53.6 2.9,53.189 3.9,52.949 5.023,53.124 5.8,53.537 6.325,54.15 6.8,54.99 7,55.854 6.9,56.8 6.365,57.859 5.761,58.479 4.83,58.9 3.696,59 2.855,58.8 2,58.224
Bottom Layer:
  pour cut-out: 1.8,6.077 1.4,5.534 1.2,4.983 1,4.377 1.1,3.6 1.2,2.877 1.6,2.171 2.181,1.577 2.9,1.166 3.9,0.926 5.023,1.101 5.8,1.514 6.325,2.127 6.8,2.967 7,3.831 6.9,4.777 6.365,5.836 5.761,6.456 4.83,6.877 3.696,6.977 2.855,6.777 2,6.201
  pour cut-out: 118.733,6.203 118.333,5.661 118.133,5.109 117.933,4.503 118.033,3.726 118.133,3.003 118.533,2.297 119.114,1.703 119.833,1.292 120.833,1.052 121.956,1.227 122.733,1.64 123.258,2.253 123.733,3.093 123.933,3.957 123.833,4.903 123.298,5.962 122.694,6.582 121.763,7.003 120.629,7.103 119.788,6.903 118.933,6.327
  pour cut-out: 118.8,58.1 118.4,57.558 118.2,57.006 118,56.4 118.1,55.623 118.2,54.9 118.6,54.194 119.181,53.6 119.9,53.189 120.9,52.949 122.023,53.124 122.8,53.537 123.325,54.15 123.8,54.99 124,55.854 123.9,56.8 123.365,57.859 122.761,58.479 121.83,58.9 120.696,59 119.855,58.8 119,58.224
  pour cut-out: 1.8,58.1 1.4,57.558 1.2,57.006 1,56.4 1.1,55.623 1.2,54.9 1.6,54.194 2.181,53.6 2.9,53.189 3.9,52.949 5.023,53.124 5.8,53.537 6.325,54.15 6.8,54.99 7,55.854 6.9,56.8 6.365,57.859 5.761,58.479 4.83,58.9 3.696,59 2.855,58.8 2,58.224

## Silkscreen, mask and mechanical layers (free items; w line width, h text height)
Top Overlay:
  circle w0.15: c121,56 r3
  circle w0.15: c4,56 r3
  circle w0.15: c4,4 r3
  circle w0.15: c121,4 r3
  lines w0.1: 90.1,55.4 91.7,55.4 ; 90.9,54.5 90.9,56.3 ; 96.119,55.22 97.719,55.22 ; 86.2,53.6 92.2,53.6 92.2,57 86.2,57 86.2,53.6 ; 95.619,53.62 95.619,57.02 101.619,57.02 101.619,53.62 95.619,53.62
  lines w0.15: 27.6,2.93 27.6,1.07 29.5,1.07 ; 69.6,1.07 71.5,1.07 71.5,2.93 69.6,2.93
  text "MOSI" at 55.4,55.9 h1
  text "CS" at 58.192,55.9 h1
  text "+4B" at 65.6,55.9 h1
  text "CLK" at 60.6,55.888 h1
  text "GND" at 63.1,55.852 h1
  text "0,1мк" at 107,38.728 h1.52 r90
  text "10мк" at 109.9,37.5 h1.52 r90
  text "16" at 70.1,1.7 h1
Bottom Overlay:
  circle w0.254: c40.656,14.028 r0.875
  circle w0.15: c4,4 r3
  circle w0.15: c121,4 r3
  rectangle: 37.977,4.8 63.476,11.359
  lines w0.15: 31.5,4.2 31.5,9.6 ; 39.45,29.525 41.306,29.525 ; 39.45,31.925 41.3,31.925 ; 39.45,34.75 41.306,34.75 ; 39.45,37.25 41.275,37.25 ; 40,2.9 40,9.6 ; 41.331,26.9 39.45,26.9 39.45,39.9 41.331,39.9 ; 74.457,35.582 76.196,35.582 ; 74.504,31.121 76.225,31.121 ; 74.55,33.4 76.2,33.4 ; 76.2,28.2 74.489,28.2 74.45,28.239 74.45,38.464 74.492,38.507 76.332,38.507
  lines w0.2: 119.25,22.05 119.25,25.65 ; 119.25,34.35 119.25,37.95 119.3,38 123.7,38 123.75,37.95 123.75,34.35 ; 119.3,22 123.7,22 ; 123.75,22.05 123.75,25.65
  lines w0.25: 39.781,13.928 39.781,15.378 ; 39.781,17.878 39.781,14.903 40.656,14.028 41.656,15.028 41.656,17.853 ; 38.106,11.603 38.131,11.578 48.781,11.578 48.781,18.403 38.106,18.403 38.106,11.603
  lines w0.254: 39.606,15.341 cw(c39.987,16.589) 39.781,17.878
  text "1мк" at 21.3,57.7 h1.52
  text "10мк" at 26.7,57.4 h1.52 r270
  text "0,1мк" at 34.4,54.3 h1.52
  text "0,1мк" at 15.4,53.6 h1.52
  text "0,1мк" at 47.1,52.4 h1.52 r270
  text "0,1мк" at 67.3,52.2 h1.52 r270
  text "10к" at 36,52.056 h1.52 r270
  text "0,1мк" at 22.7,50.9 h1.52 r270
  text "10мк" at 10.9,50.6 h1.52
  text "10к" at 25.4,48.8 h1.52
  text "10мк" at 3,48 h1.52 r270
  text "10мк" at 52,47.725 h1.52 r270
  text "0,1мк" at 67.875,47.45 h1.52 r270
  text "10мк" at 71.125,46.725 h1.52 r270
  text "4,7мк" at 64.05,45.975 h1.52 r270
  text "10мк" at 12.1,43.4 h1.52 r270
  text "0,1мк" at 19.7,41.2 h1.52
  text "0,1мк" at 1.4,39.7 h1.52 r270
  text "0,1мк" at 62.91,39.7 h1.52
  text "10к" at 51.077,39.675 h1.52
  text "300" at 16.897,38.6 h1.52 r270
  text "0,1мк" at 4.9,38.1 h1.52
  text "3,3B" at 39.685,37.457 h1.52 r270
  text "10" at 10.1,37.375 h1.52
  text "0,1мк" at 46,37.39 h1.52 r270
  text "0,1мк" at 26.5,37.2 h1.52 r270
  text "12" at 71.5,36.3 h1.52 r270
  text "USB" at 122.6,36.3 h1.52
  text "GND" at 74.825,35.85 h1.52 r270
  text "0,1мк" at 36.9,35.5 h1.52 r270
  text "CLK" at 39.871,34.9 h1.52 r270
  text "220мк" at 14.2,34.6 h1.52
  text "0,1мк" at 59.944,33.916 h1.52 r270
  text "TX" at 74.825,33.916 h1.52 r270
  text "GND" at 39.875,32.215 h1.52 r270
  text "RX" at 74.875,31.575 h1.52 r270
  text "DIO" at 39.825,29.897 h1.52 r270
  text "3,3B" at 74.65,28.525 h1.52 r270
  text "0,1мк" at 59.9,28.5 h1.52 r270
  text "0,1мк" at 51.5,28.3 h1.52
  text "12" at 71.5,28.27 h1.52 r270
  text "0,1мк" at 56.1,27.3 h1.52
  text "10к" at 48.25,27.275 h1.52
  text "RST" at 39.825,27.254 h1.52 r270
  text "10к" at 59.944,25.95 h1.52 r270
  text "0,1мк" at 106.6,23.9 h1.52 r90
  text "0,1мк" at 94.4,23.31 h1.52
  text "BAT" at 122.6,23 h1.52
  text "10к" at 54.05,22.475 h1.52
  text "300" at 58.544,22.35 h1.52 r270
  text "10к" at 46.35,20.775 h1.52
  text "0,1мк" at 67.6,15.8 h1.52 r270
  text "0,1мк" at 78.3,15.8 h1.52 r270
  text "0,1мк" at 50.2,15.7 h1.52 r270
  text "CUP_RTC" at 48.531,14.578 h2
  text "v1.1 09.2018" at 48.433,13.025 h1.5
  text "V.P." at 41.531,11.903 h1.52
  text "10" at 69.4,8.9 h1.52
  text "0,1мк" at 37.3,6 h1.52